# Altium PCB PCB1.PcbDoc (part 1 of 4)
Units mm, origin at the board's own origin, x right, y up, seen from the top; angles counter-clockwise.
Board outline 58.36 x 29.25 mm, 4 copper layers (Top Layer, Int1 (GND), Int2 (PWR), Bottom Layer), stack 1.586 mm thick; 90 components, 72 nets, 321 pads, 257 vias.
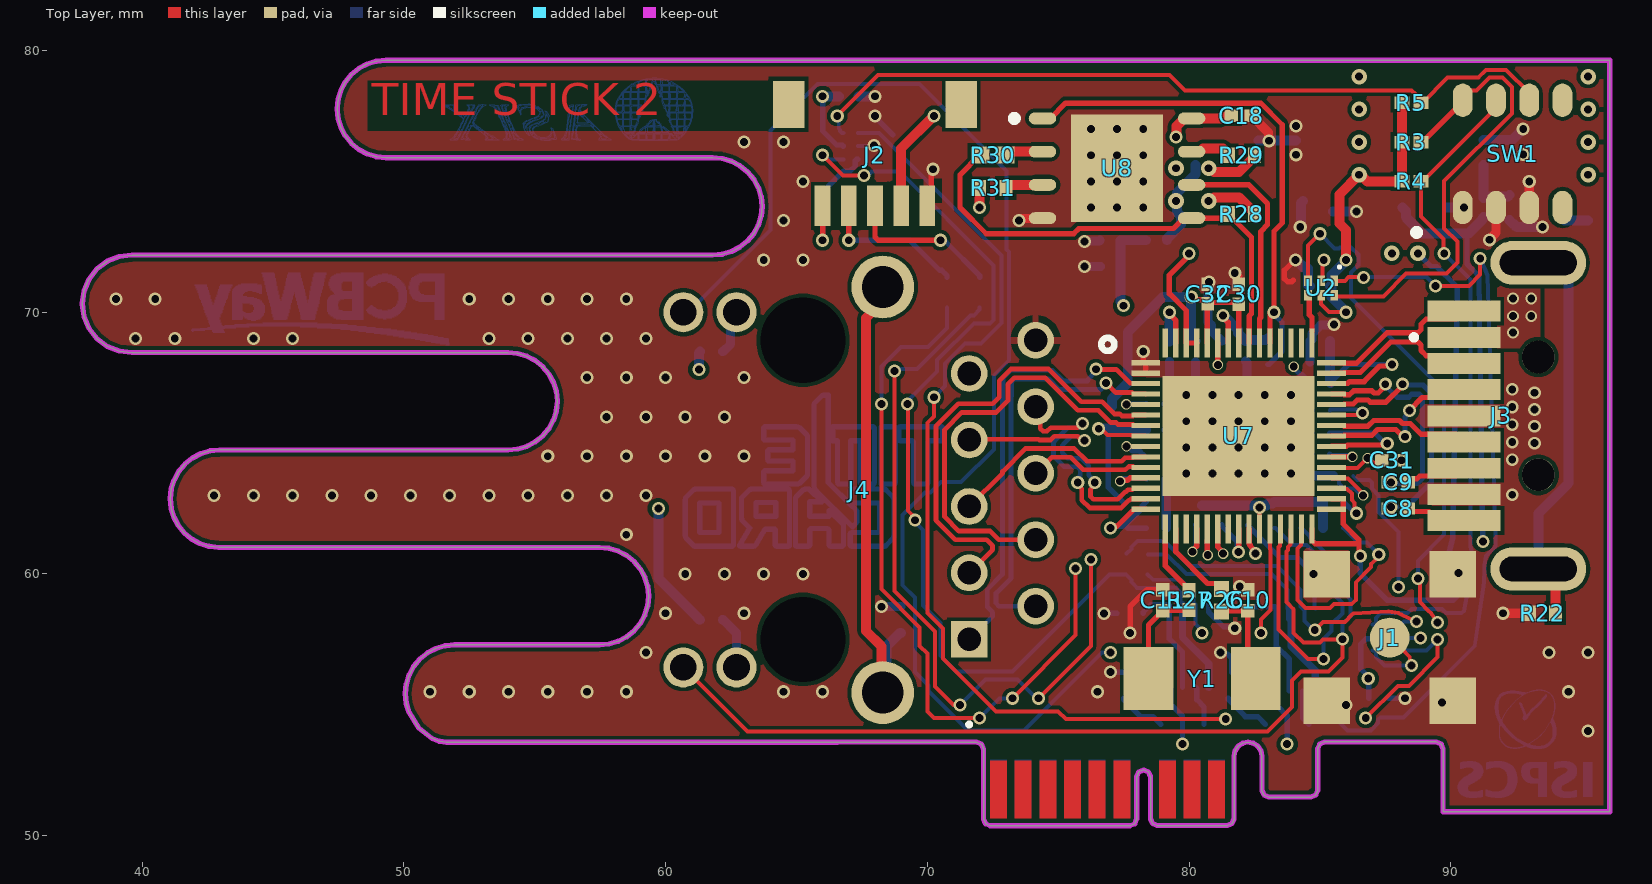
[diagram p0: Top Layer view]
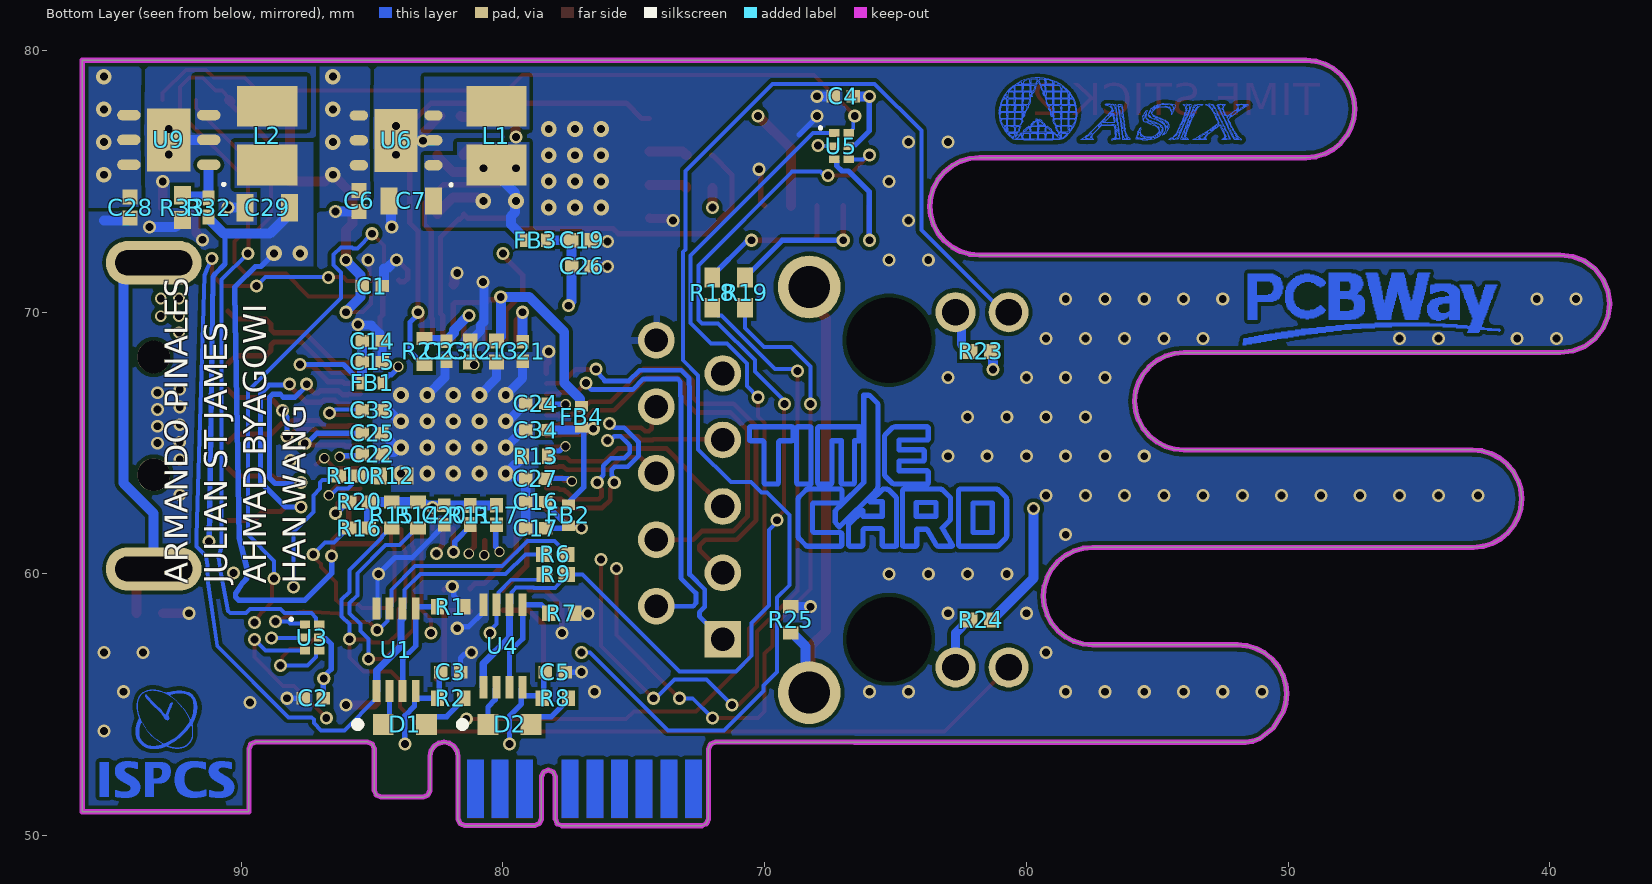
[diagram p1: Bottom Layer view, seen from below]
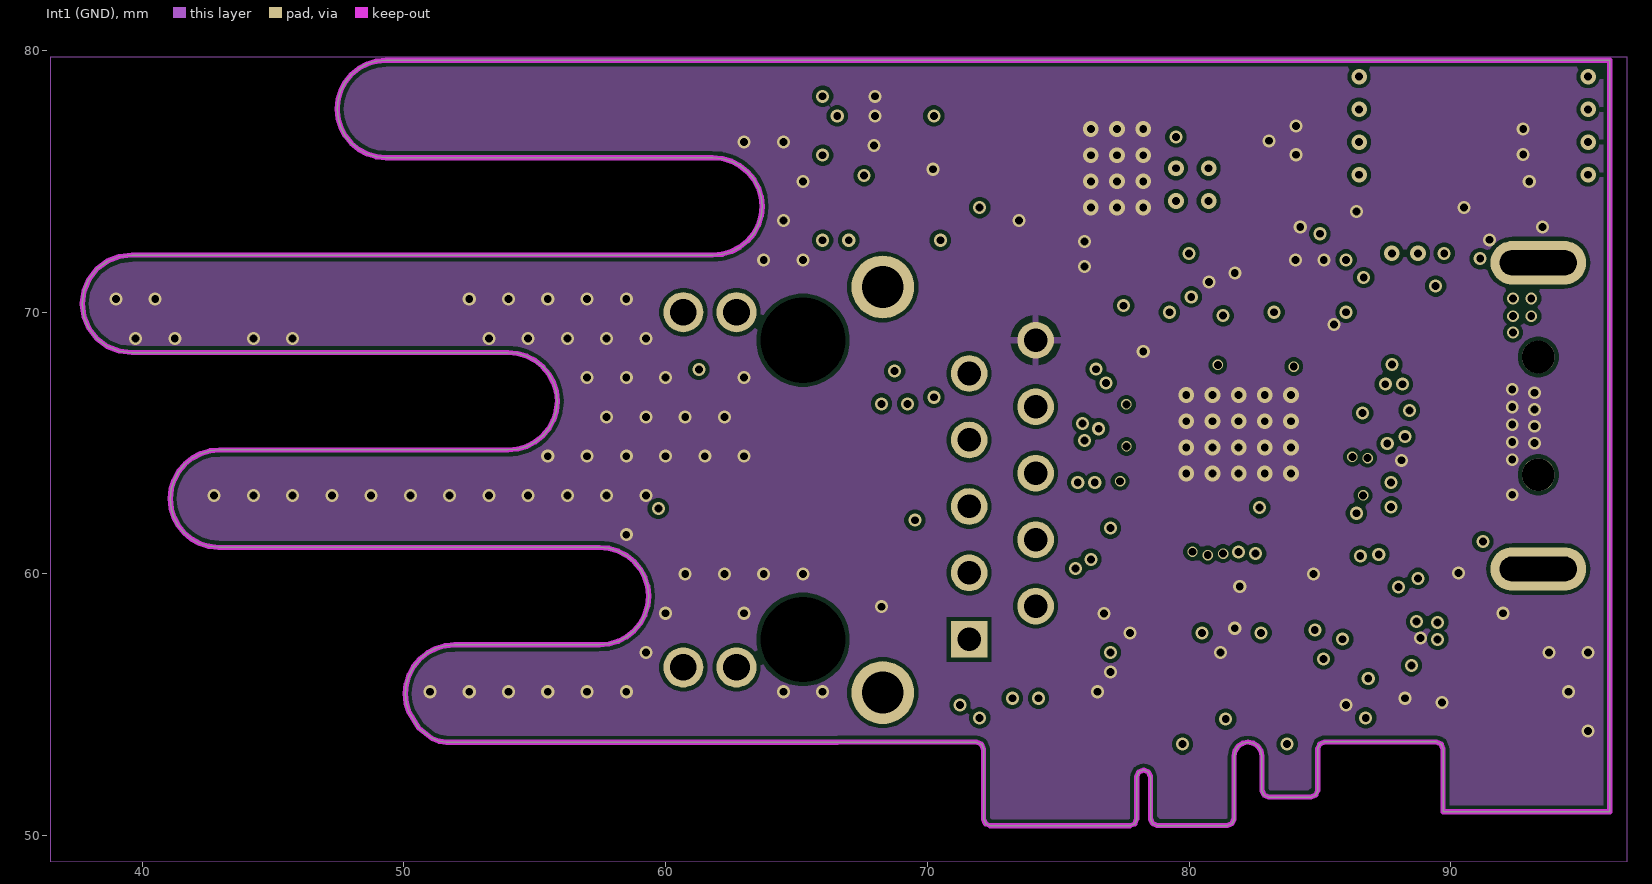
[diagram p2: Int1 (GND)]
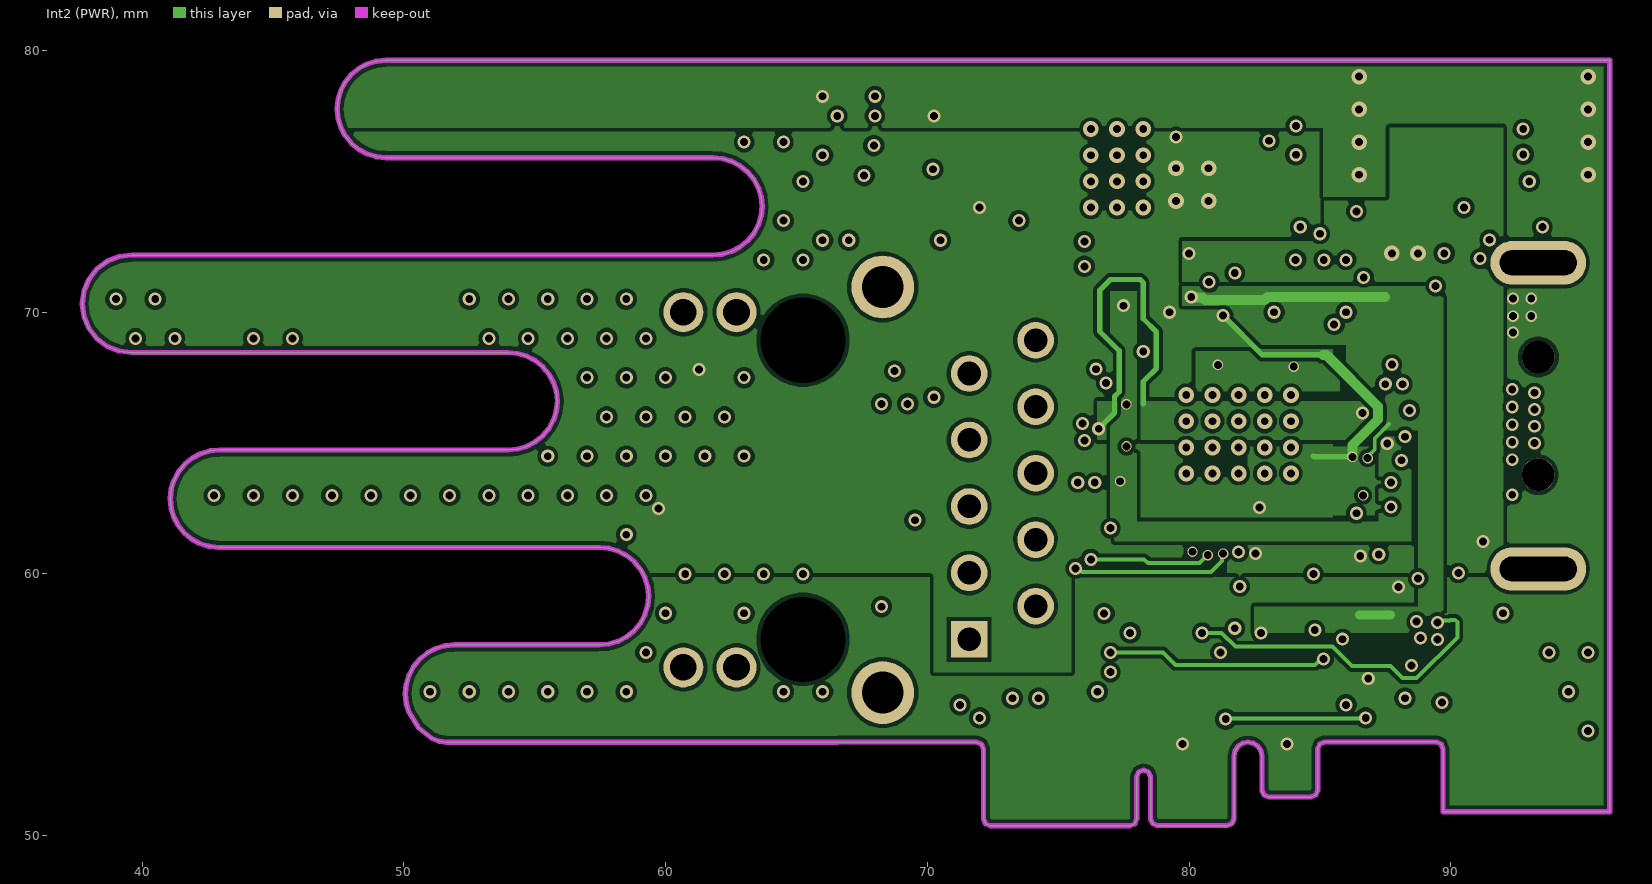
[diagram p3: Int2 (PWR)]
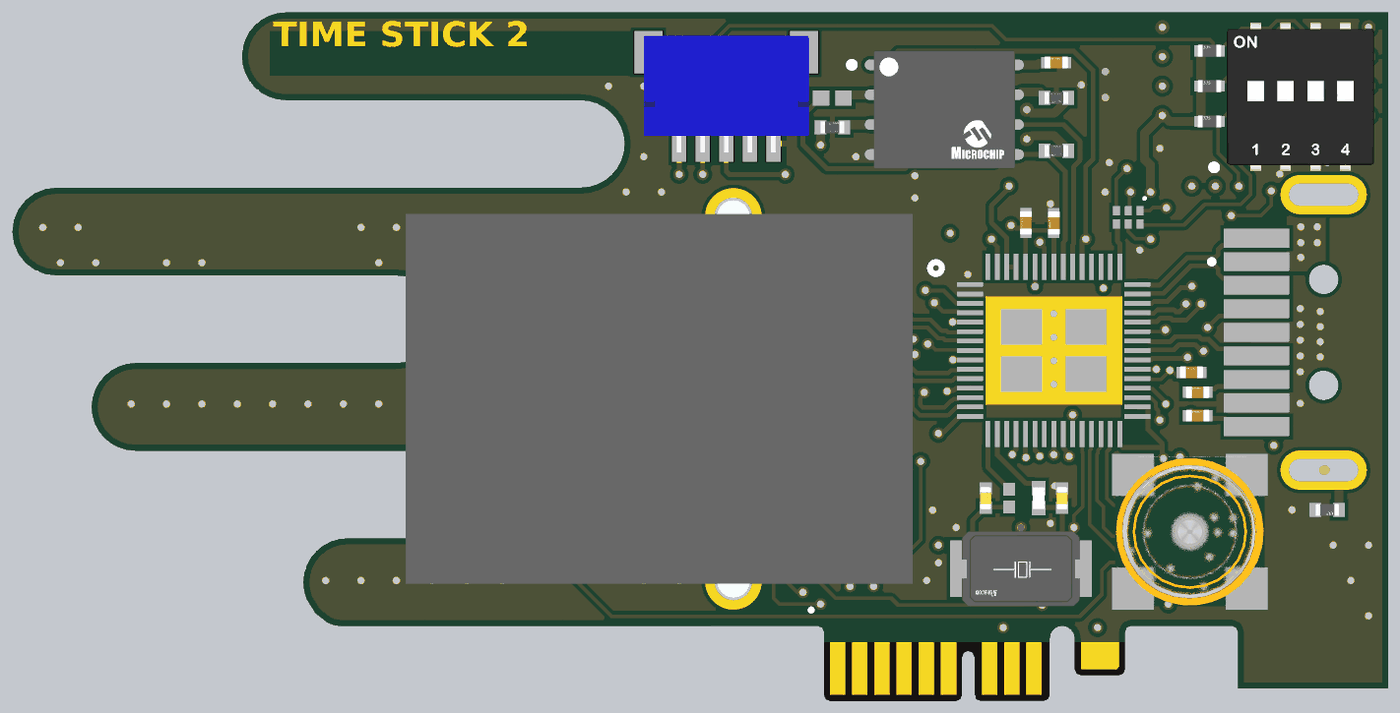
[diagram p7: 3D render of the assembled board from above, using the file's embedded part models]
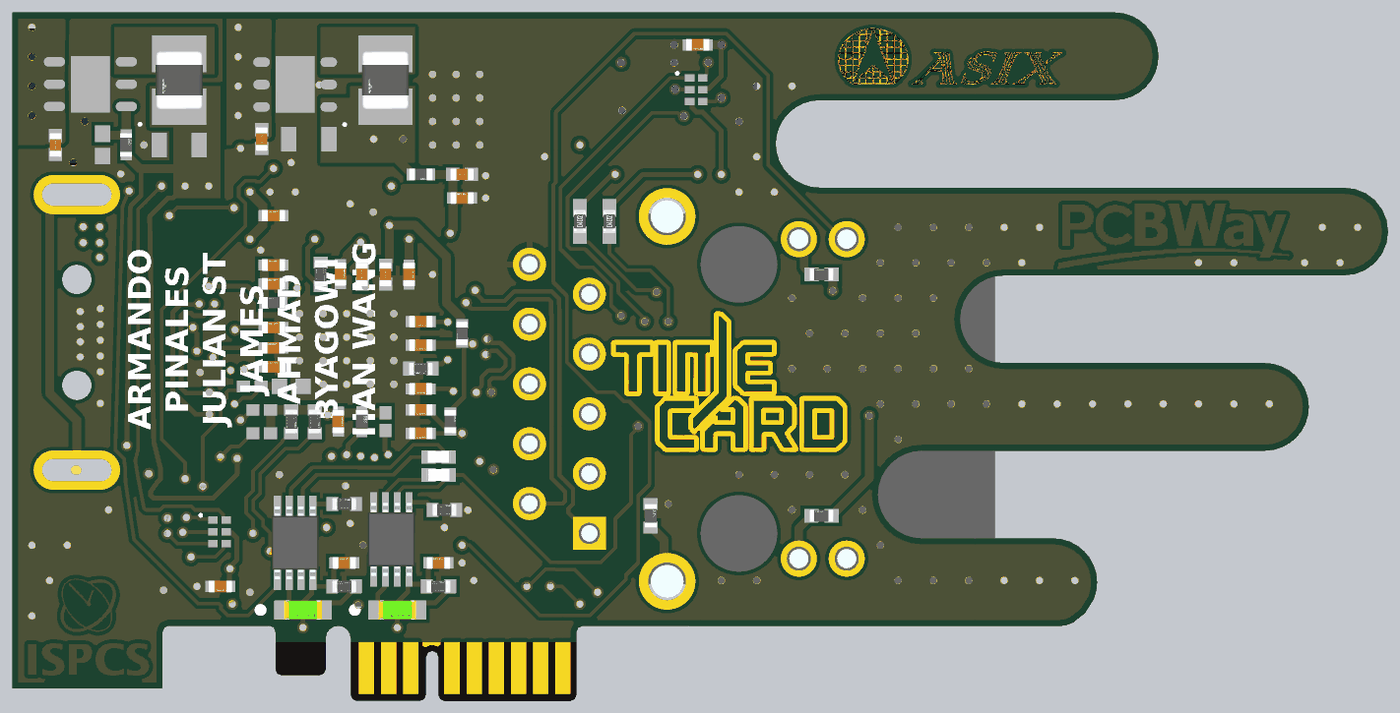
[diagram p8: 3D render of the assembled board from below, using the file's embedded part models]

## Layer stack, top to bottom
Top Solder: solder mask 0.0254, SM-001, Dk 4
Top Layer: signal copper 0.035
Dielectric 1: prepreg 0.2104, PP-017, Dk 4.4
Int1 (GND): signal copper 0.0152
Dielectric 3: core 1.065, Core-039, Dk 4.6
Int2 (PWR): signal copper 0.0152
Dielectric 5: prepreg 0.2104, PP-017, Dk 4.4
Bottom Layer: signal copper 0.035
Bottom Solder: solder mask 0.0254, SM-001, Dk 4

## Board outline
41.887,61.337 42.202,61.165 42.549,61.055 42.922,61.015 57.463,61.015 57.842,60.98 58.196,60.873 58.517,60.703 58.797,60.476 59.028,60.2 59.205,59.882 59.317,59.531 59.359,59.153 59.317,58.774 59.204,58.423 59.028,58.106 58.796,57.83 58.516,57.603 58.196,57.433 57.842,57.326 57.463,57.291 51.95,57.291 51.582,57.258 51.23,57.155 50.905,56.985 50.617,56.753 50.38,56.47 50.204,56.148 50.094,55.798 50.055,55.43 50.054,55.43 50.092,55.055 50.198,54.706 50.569,54.114 51.076,53.715 51.351,53.607 51.626,53.569 66.562,53.569 71.873,53.576 72.073,53.498 72.151,53.299 72.151,50.638 72.226,50.457 72.407,50.382 77.743,50.382 77.926,50.458 77.999,50.642 77.999,52.247 78.077,52.435 78.265,52.512 78.453,52.435 78.531,52.247 78.531,50.645 78.606,50.463 78.788,50.389 81.466,50.389 81.646,50.464 81.721,50.645 81.721,53.044 81.762,53.247 81.877,53.42 82.05,53.536 82.254,53.576 82.461,53.534 82.63,53.42 82.744,53.251 82.786,53.044 82.786,51.733 82.861,51.552 83.042,51.477 84.662,51.477 84.843,51.552 84.918,51.733 84.918,53.325 84.993,53.506 85.174,53.581 89.453,53.581 89.636,53.5 89.705,53.312 89.705,50.913 94.988,50.913 96.077,50.913 96.077,77.812 96.077,79.629 49.315,79.629 48.951,79.593 48.603,79.487 48.283,79.316 47.999,79.084 47.767,78.8 47.596,78.48 47.49,78.133 47.454,77.768 47.49,77.403 47.596,77.055 47.767,76.735 47.999,76.451 48.283,76.219 48.603,76.047 48.951,75.942 49.315,75.906 51.503,75.906 61.797,75.906 62.165,75.873 62.517,75.769 62.842,75.6 63.13,75.368 63.367,75.084 63.543,74.762 63.652,74.412 63.692,74.045 63.652,73.677 63.543,73.327 63.367,73.005 63.13,72.721 62.842,72.49 62.517,72.32 62.165,72.217 61.797,72.184 39.62,72.184 39.125,72.129 38.67,71.95 38.277,71.658 37.969,71.266 37.776,70.807 37.712,70.322 37.776,69.837 37.969,69.378 38.277,68.986 38.67,68.694 39.125,68.515 39.62,68.46 53.972,68.46 54.341,68.427 54.692,68.324 55.017,68.154 55.305,67.922 55.543,67.638 55.718,67.317 55.828,66.967 55.868,66.599 55.826,66.221 55.713,65.869 55.537,65.552 55.305,65.276 55.025,65.049 54.704,64.878 54.351,64.772 53.972,64.737 42.968,64.737 42.599,64.704 42.248,64.601 41.923,64.431 41.635,64.199 41.398,63.915 41.222,63.593 41.112,63.244 41.073,62.876 41.11,62.502 41.218,62.154 41.388,61.839 41.614,61.564

## Design rules (kind name [scope] priority, off if disabled: settings)
Clearance [All] p1: gap=0.15 ignorepadtopadclearanceinfootprint=FALSE
DiffPairsRouting DiffPairsRouting_USB [InDifferentialPairClass('USB')] p1: maxlimit=0.254 minlimit=0.15 mostfreqgap=0.254 toplayer_maxgap=0.15 toplayer_prefgap=0.15 toplayer_minwidth=0.2 toplayer_maxwidth=0.2 toplayer_prefwidth=0.2 bottomlayer_maxgap=0.15 bottomlayer_prefgap=0.15 bottomlayer_minwidth=0.2 bottomlayer_maxwidth=0.2 bottomlayer_prefwidth=0.2 impedanceprofiledriven=TRUE impedanceprofileid={1F1D948A-AA84-4394-B91F-08ADAF6ECF40} impedanceprofilevalue=90.000000 maxuncoupledlength=12.7
DiffPairsRouting DiffPairsRouting_MDI [InDifferentialPairClass('MDI')] p2: maxlimit=0.254 minlimit=0.15 mostfreqgap=0.254 toplayer_maxgap=0.15 toplayer_prefgap=0.15 toplayer_minwidth=0.18 toplayer_maxwidth=0.18 toplayer_prefwidth=0.18 bottomlayer_maxgap=0.15 bottomlayer_prefgap=0.15 bottomlayer_minwidth=0.18 bottomlayer_maxwidth=0.18 bottomlayer_prefwidth=0.18 impedanceprofiledriven=TRUE impedanceprofileid={24BD80DF-1D75-4A22-A0DE-736A4AAFECA8} impedanceprofilevalue=100.000000 maxuncoupledlength=12.7
HoleSize [All] p1: absolutevalues=TRUE maxlimit=6.3 minlimit=0.3 maxpercent=80.000 minpercent=20.000
HoleToHoleClearance [All] p1: gap=0.279 allowstackedmicrovias=TRUE
MinimumSolderMaskSliver [All] p1: minsoldermaskwidth=0.152
PolygonConnect [All] p1: thpad.connectstyle=Relief thpad.reliefconductorwidth=0.254 thpad.reliefentries=4 thpad.polygonreliefangle="90 Angle" thpad.airgapwidth=0.254 smdpad.connectstyle=Direct smdpad.reliefconductorwidth=0.254 smdpad.reliefentries=4 smdpad.polygonreliefangle="90 Angle" smdpad.airgapwidth=0.254 via.connectstyle=Direct via.reliefconductorwidth=0.254 via.reliefentries=4 via.polygonreliefangle="90 Angle" via.airgapwidth=0.254
RoutingVias [All] p1: holewidth=0.3 width=0.152 viastyle="Through Hole" minholewidth=0.3 minwidth=0.152 maxholewidth=6.3 maxwidth=12.6
SilkToSilkClearance [All] p1: silktosilkclearance=0.152
SilkToSolderMaskClearance [IsPad] p1: minsilkscreentomaskgap=0.152 clearancetoexposedcopper=TRUE
SolderMaskExpansion [All] p1: expansion=0 istentingtop=FALSE
SupplyNets "Schematic Supply Nets_4" [InNet('DVDD_33')] p1: voltage=0.000
SupplyNets "Schematic Supply Nets_3" [InNet('CHASSIS_GND')] p2: voltage=0.000
SupplyNets "Schematic Supply Nets_2" [InNet('VCCK10')] p3: voltage=0.000
SupplyNets "Schematic Supply Nets_1" [InNet('VBUS_+5V')] p4: voltage=0.000
SupplyNets "Schematic Supply Nets" [InNet('GND')] p5: voltage=0.000
Width [All] p1: maxlimit=0.381 minlimit=0.152 preferedwidth=0.203
24 further rules are at their usual default settings.

## Classes and differential pairs
net class MDI: MDI0_N MDI0_P MDI1_N MDI1_P MDI2_N MDI2_P MDI3_N MDI3_P
net class PPS_50: 1PPS_IN 1PPS_IN_BUFF 1PPS_OUT 1PPS_OUT_BUFF 1PPS_SMA_IO 279_1PPS_IO GPS_PPS_OUT NetU3_3
differential pair class MDI: MDI0 MDI1 MDI2 MDI3
differential pair class USB: D SSRX SSTX USB3.0_SSTX
differential pair MDI0: +MDI0_P -MDI0_N
differential pair USB3.0_SSTX: +USB3.0_SSTX_P -USB3.0_SSTX_N
differential pair SSTX: +SSTX_P -SSTX_N
differential pair SSRX: +SSRX_P -SSRX_N
differential pair MDI3: +MDI3_P -MDI3_N
differential pair MDI2: +MDI2_P -MDI2_N
differential pair MDI1: +MDI1_P -MDI1_N
differential pair D: +D_P -D_N

## Components (designator, comment, footprint, x,y, rotation, side; value= is the part's Value field where it differs from the comment)
C1 "100nF" FP-CL251-IPC_C 85,71 r0 bottom
C2 "100nF" FP-CL251-IPC_C 87.25,55.25 r180 bottom
C3 "100nF" FP-CL251-IPC_C 82,56.25 r0 bottom
C4 "100nF" FP-CL251-IPC_C 67,78.25 r180 bottom
C5 "100nF" FP-CL251-IPC_C 78,56.25 r0 bottom
C6 "4u7F" FP-0402-L_1_0_0_15-W_0_5-IPC_C 85.5,74.25 r90 bottom value=4.7uF
C7 "22uF" CAPC1608X100X20ML10 83.5,74.25 r180 bottom
C8 "100nF" FP-CL251-IPC_C 88,62.5 r180 top
C9 "100nF" FP-CL251-IPC_C 88,63.5 r180 top
C10 "15pF" FP-CBR04C-MFG 82.25,59 r90 top value="15 pF"
C11 "15pF" FP-CBR04C-MFG 79,59 r90 top value="15 pF"
C12 "4u7F" FP-0402-L_1_0_0_15-W_0_5-IPC_C 81.25,68.5 r270 bottom value=4.7uF
C13 "4u7F" FP-0402-L_1_0_0_15-W_0_5-IPC_C 80.25,68.5 r90 bottom value=4.7uF
C14 "100nF" FP-CL251-IPC_C 85,68.9 r0 bottom
C15 "100nF" FP-CL251-IPC_C 85,68.1 r0 bottom
C16 "100nF" FP-CL251-IPC_C 78.75,62.75 r180 bottom
C17 "100nF" FP-CL251-IPC_C 78.75,61.75 r180 bottom
C18 "100nF" FP-CL251-IPC_C 82,77.5 r180 top
C19 "4u7F" FP-0402-L_1_0_0_15-W_0_5-IPC_C 77,72.75 r0 bottom value=4.7uF
C20 "100nF" FP-CL251-IPC_C 82.25,62.25 r90 bottom
C21 "100nF" FP-CL251-IPC_C 79.25,68.5 r90 bottom
C22 "100nF" FP-CL251-IPC_C 84.989,64.579 r0 bottom
C23 "100nF" FP-CL251-IPC_C 82.161,68.514 r90 bottom
C24 "100nF" FP-CL251-IPC_C 78.75,66.5 r180 bottom
C25 "100nF" FP-CL251-IPC_C 85.003,65.381 r0 bottom
C26 "100nF" FP-CL251-IPC_C 77,71.75 r0 bottom
C27 "100nF" FP-CL251-IPC_C 78.758,63.64 r180 bottom
C28 "4u7F" FP-0402-L_1_0_0_15-W_0_5-IPC_C 94.25,74 r90 bottom value=4.7uF
C29 "22uF" CAPC1608X100X20ML10 89,74 r180 bottom
C30 "100nF" FP-CL251-IPC_C 81.896,70.685 r270 top
C31 "100nF" FP-CL251-IPC_C 87.739,64.343 r180 top
C32 "100nF" FP-CL251-IPC_C 80.713,70.694 r270 top
C33 "100nF" FP-CL251-IPC_C 85,66.25 r0 bottom
C34 "100nF" FP-CL251-IPC_C 78.75,65.5 r180 bottom
D1 "APT1608ZGCK" FP-APT1608ZGCK-MFG 83.75,54.25 r180 bottom
D2 "APT1608ZGCK" FP-APT1608ZGCK-MFG 79.75,54.25 r180 bottom
FB1 "BLM15PD800SN1D" FP-BLM15-0_05-MFG 85,67.3 r0 bottom
FB2 "BLM15PD800SN1D" FP-BLM15-0_05-MFG 77.5,62.25 r90 bottom
FB3 "BLM15PD800SN1D" FP-BLM15-0_05-MFG 78.75,72.75 r180 bottom
FB4 "BLM15PD800SN1D" FP-BLM15-0_05-MFG 77,66 r270 bottom
J1 "73251-1350" FP-73251-1350-MFG 87.668,57.571 r180 top
J2 "JST_SM05B-SRSS-G-TB" JST_SM05B-SRSS-TB_REV_NOV_29_2010 68,76 r270 top
J3 "GSB316441CEU" CONN_AMPHENOL_GSB316441CEU 93.345,66.04 r90 top locked
J4 "ARJM11D7-809-AB-EW2" ARJM11D7809ABEW2 71.6,57.5 r270 top
L1 "3u3H" FP-LQM2HPN_G0-IPC_A 80.25,76.75 r270 bottom value=3.3uH
L2 "3u3H" FP-LQM2HPN_G0-IPC_A 89,76.75 r270 bottom value=3.3uH
R1 "4k7" FP-RT0402-MFG 82,58.75 r180 bottom value=4.7KΩ
R2 "4k7" FP-RT0402-MFG 82,55.25 r180 bottom value=4.7KΩ
R3 "10k" FP-RMCF0402-IPC_C 88.5,76.5 r180 top value=10kR
R4 "10k" FP-RMCF0402-IPC_C 88.5,75 r180 top value=10kR
R5 "10k" FP-RMCF0402-IPC_C 88.5,78 r180 top value=10kR
R6 "0 Ohm" FP-CR0402-IPC_B 78,60.75 r0 bottom value=0R
R7 "4k7" FP-RT0402-MFG 77.75,58.5 r180 bottom value=4.7KΩ
R8 "4k7" FP-RT0402-MFG 78,55.25 r180 bottom value=4.7KΩ
R9 "0 Ohm" FP-CR0402-IPC_B 77.992,59.985 r0 bottom value=0R
R10 "49.9k" RESC1005X40X25LL10T10 85.9,63.75 r0 bottom value=49.9kR
R11 "10k" FP-RMCF0402-IPC_C 81.25,62.25 r90 bottom value=10kR
R12 "100k" RESC1005X40X25ML05T05 84.25,63.75 r0 bottom value=100kR
R13 "24k" FP-RT0402-MFG 78.75,64.5 r0 bottom value=24KΩ
R14 "4k7" FP-RT0402-MFG 83.25,62.25 r270 bottom value=4.7KΩ
R15 "4k7" FP-RT0402-MFG 84.25,62.25 r270 bottom value=4.7KΩ
R16 "47k" RESC1005X40X25LL10T10 85.5,61.75 r180 bottom value=47kR
R17 "47k" RESC1005X40X25LL10T10 80.25,62.25 r90 bottom value=47kR
R18 "0 Ohms" "RES 0402_1005" 72,70.75 r90 bottom
R19 "0 Ohms" "RES 0402_1005" 70.75,70.75 r90 bottom
R20 "47k" RESC1005X40X25LL10T10 85.5,62.75 r180 bottom value=47kR
R21 "4k7" FP-RT0402-MFG 83,68.5 r270 bottom value=4.7KΩ
R22 "1M" FP-RMCF0402-MFG 93.5,58.5 r0 top value=1MR
R23 "330" FP-RC1005-IPC_B 61.75,68.5 r0 bottom value=330R
R24 "330" FP-RC1005-IPC_B 61.75,58.25 r0 bottom value=330R
R25 "1M" FP-RMCF0402-MFG 69,58.25 r90 bottom value=1MR
R26 "0 Ohm" FP-CR0402-IPC_B 81.25,59 r90 top value=0R
R27 "200" RESC1005X40X25LL10T10 80,59 r90 top value=200R
R28 "4k7" FP-RT0402-MFG 82,73.75 r180 top value=4.7KΩ
R29 "4k7" FP-RT0402-MFG 82,76 r180 top value=4.7KΩ
R30 "22R" RESC1005X40X25ML05T10 72.5,76 r0 top
R31 "4k7" FP-RT0402-MFG 72.5,74.75 r0 top value=4.7KΩ
R32 "10k" FP-RMCF0402-IPC_C 91.25,74 r90 bottom value=10kR
R33 "39.2k" RESC1005X40X25ML05T10 92.25,74 r90 bottom value=39.2kR
SW1 "218-4LPST" "CTS 218-4LPJ" 92.365,76.05 r90 top
U1 "NC7WV125K8X" SOP50P310X90-8N 84.083,57.103 r270 bottom
U2 "74LVC1G3157FZ4-7" PSON50P140X100X40-6N 85.05,70.927 r270 top
U3 "74LVC1G3157FZ4-7" PSON50P140X100X40-6N 87.29,57.571 r180 bottom
U4 "NC7WV125K8X" SOP50P310X90-8N 80,57.25 r270 bottom
U5 "74LVC1G3157FZ4-7" PSON50P140X100X40-6N 67.069,76.344 r180 bottom
U6 "ST1S06PU33R" DFN6D_L 84.082,76.567 r0 bottom locked
U7 "AX88279" IC_AX88279 81.896,65.272 r0 top
U8 "SST25VF016B-50-4I-QAF-T" FP-C04-452-MFG 77.25,75.5 r0 top
U9 "ST1S06PUR" DFN6D_M 92.768,76.583 r0 bottom
Y1 "ABM3-25.000MHZ-D2Y-T" FP-ABM3-MFG 80.5,56 r180 top

## Footprints (in the part's own frame and the unit in brackets; to place one, negate y for a bottom-side part, rotate by r counter-clockwise, add the part's x,y. Pads: shape width x height; smd on the part's side, far side on the other; paste and mask are expansions set on the pad)
ARJM11D7809ABEW2 [mm]
  round 2.4 hole 1.6: MH1(2.035,-3.3) MH2(-13.465,-3.3)
  round 1.625 hole 3.25 unplated: MH3(0,-6.35) MH4(-11.43,-6.35)
  rect 1.4x1.4 hole 0.9: P1(0,0)
  round 1.4 hole 0.9: P2(-1.27,2.54) P3(-2.54,0) P4(-3.81,2.54) P5(-5.08,0) P6(-6.35,2.54) P7(-7.62,0) P8(-8.89,2.54) P9(-10.16,0) P10(-11.43,2.54)
  round 1.53 hole 1.02: P11(-12.5,-8.89) P12(-12.5,-10.92) P13(1.07,-8.89) P14(1.07,-10.92)
  silkscreen extent 3.2,-0.05 3.3,0.05, body extent -14.17,-17.2 2.74,4.3, height 14.15
CAPC1608X100X20ML10 [mm] "Chip Capacitor, 2-Leads, Body 1.70x0.90mm, IPC Low Density"
  rect 0.65x1.05 smd: 1(-0.85,0) 2(0.85,0)
  body extent -0.85,-0.45 0.85,0.45, height 1
CONN_AMPHENOL_GSB316441CEU [mm]
  rect 0.8x2.78 smd: 1(3,2.84) 2(1,2.84) 3(-1,2.84) 4(-3,2.84) 5(-4,2.84) 6(-2,2.84) 7(0,2.84) 8(2,2.84) 9(4,2.84)
  oval 1.66x3.66 hole 0.95 slot 2.95 at 90 deg: SH1(-5.85,0) SH2(5.85,0)
  round 1.25 hole 1.25 unplated: ""(-2.25,0) ""(2.25,0)
  silkscreen extent 2.9,4.65 3.1,4.85, body extent -6,-17.75 6,2.9, height 3.2
"CTS 218-4LPJ" [mm] "DIP, 6 POS, Body 8.79x6.05mm, Pitch 1.27mm, IPC Medium Density"
  oval 1.27x0.76 smd: 1(-2.05,1.905) 2(-2.05,0.635) 3(-2.05,-0.635) 4(-2.05,-1.905) 5(2.05,-1.905) 6(2.05,-0.635) 7(2.05,0.635) 8(2.05,1.905)
  silkscreen extent -3.12,3.54 -2.88,3.79, body extent -3.15,-3.13 3.15,3.12, height 2.71
DFN6D_L [mm] "SON, 6-Leads, Body 3x3mm, Pitch 0.95mm, Thermal Pad 2.4x1.65mm, IPC High Density"
  oval 0.7x0.4 smd: 1(-1.425,0.95) 2(-1.425,0) 3(-1.425,-0.95) 4(1.425,-0.95) 5(1.425,0) 6(1.425,0.95)
  rect 1.65x2.4 smd: 7(0,0)
  silkscreen extent -2.15,1.65 -2.05,1.75, body extent -1.55,-1.55 1.55,1.55, height 0.95
DFN6D_M [mm] "SON, 6-Leads, Body 3x3mm, Pitch 0.95mm, Thermal Pad 2.4x1.65mm, IPC Low Density"
  oval 0.9x0.4 smd: 1(-1.525,0.95) 2(-1.525,0) 3(-1.525,-0.95) 4(1.525,-0.95) 5(1.525,0) 6(1.525,0.95)
  rect 1.65x2.4 smd: 7(0,0)
  silkscreen extent -2.15,1.65 -2.05,1.75, body extent -1.55,-1.55 1.55,1.55, height 0.95
FP-0402-L_1_0_0_15-W_0_5-IPC_C [mm]
  rect 0.56x0.562 smd paste+0 mask+0: 1(-0.401,0) 2(0.401,0)
  body extent -0.5,-0.25 0.5,0.25, height 0.65
FP-73251-1350-MFG [mil]
  round 60 smd paste+0 mask+0: 1(0,0)
  rect 70x70 smd paste+0 mask+0: 2(-95,95) 3(95,95) 4(-95,-95) 5(95,-95)
  body extent -134,-134 134,134, height 10
FP-ABM3-MFG [mm]
  rect 1.9x2.4 smd paste+0 mask+0: 1(-2.05,0) 2(2.05,0)
  body extent -3.1,-1.8 3.1,1.8, height 0.25
FP-APT1608ZGCK-MFG [mm]
  rect 0.8x0.8 smd paste+0 mask+0: 1(-0.825,0) 2(0.825,0)
  silkscreen extent -1.92,-0.12 -1.68,0.12, body extent -0.8,-0.4 0.8,0.4, height 0.85
FP-BLM15-0_05-MFG [mm]
  rect 0.4x0.5 smd paste+0 mask+0: 1(-0.4,0) 2(0.4,0)
  body extent -0.5,-0.25 0.5,0.25, height 0.55
FP-C04-452-MFG [mm]
  rrect100% 1.05x0.45 smd paste+0 mask+0: 1(-2.85,1.905) 2(-2.85,0.635) 3(-2.85,-0.635) 4(-2.85,-1.905) 5(2.85,-1.905) 6(2.85,-0.635) 7(2.85,0.635) 8(2.85,1.905)
  rect 3.5x4.1 smd paste+0 mask+0: 9(0,0)
  silkscreen extent -4.05,1.78 -3.8,2.03, body extent -3,-2.5 3,2.5, height 0.8
FP-CBR04C-MFG [mm]
  rect 0.52x0.52 smd paste+0 mask+0: 1(-0.4,0) 2(0.4,0)
  body extent -0.8,-0.4 0.8,0.4, height 0.25
FP-CL251-IPC_C [mm]
  rect 0.515x0.472 smd paste+0 mask+0: 1(-0.379,0) 2(0.379,0)
  body extent -0.5,-0.25 0.5,0.25, height 0.55
FP-CR0402-IPC_B [mm]
  rect 0.615x0.572 smd paste+0 mask+0: 1(-0.429,0) 2(0.429,0)
  body extent -0.5,-0.25 0.5,0.25, height 0.4
FP-LQM2HPN_G0-IPC_A [mm]
  rect 1.555x2.306 smd paste+0 mask+0: 1(-1.126,0) 2(1.126,0)
  body extent -1.25,-1 1.25,1, height 1
FP-RC1005-IPC_B [mm]